# Altium PCB LimeKEY-RPCM_1v1.PcbDoc (part 5 of 8) (continued)
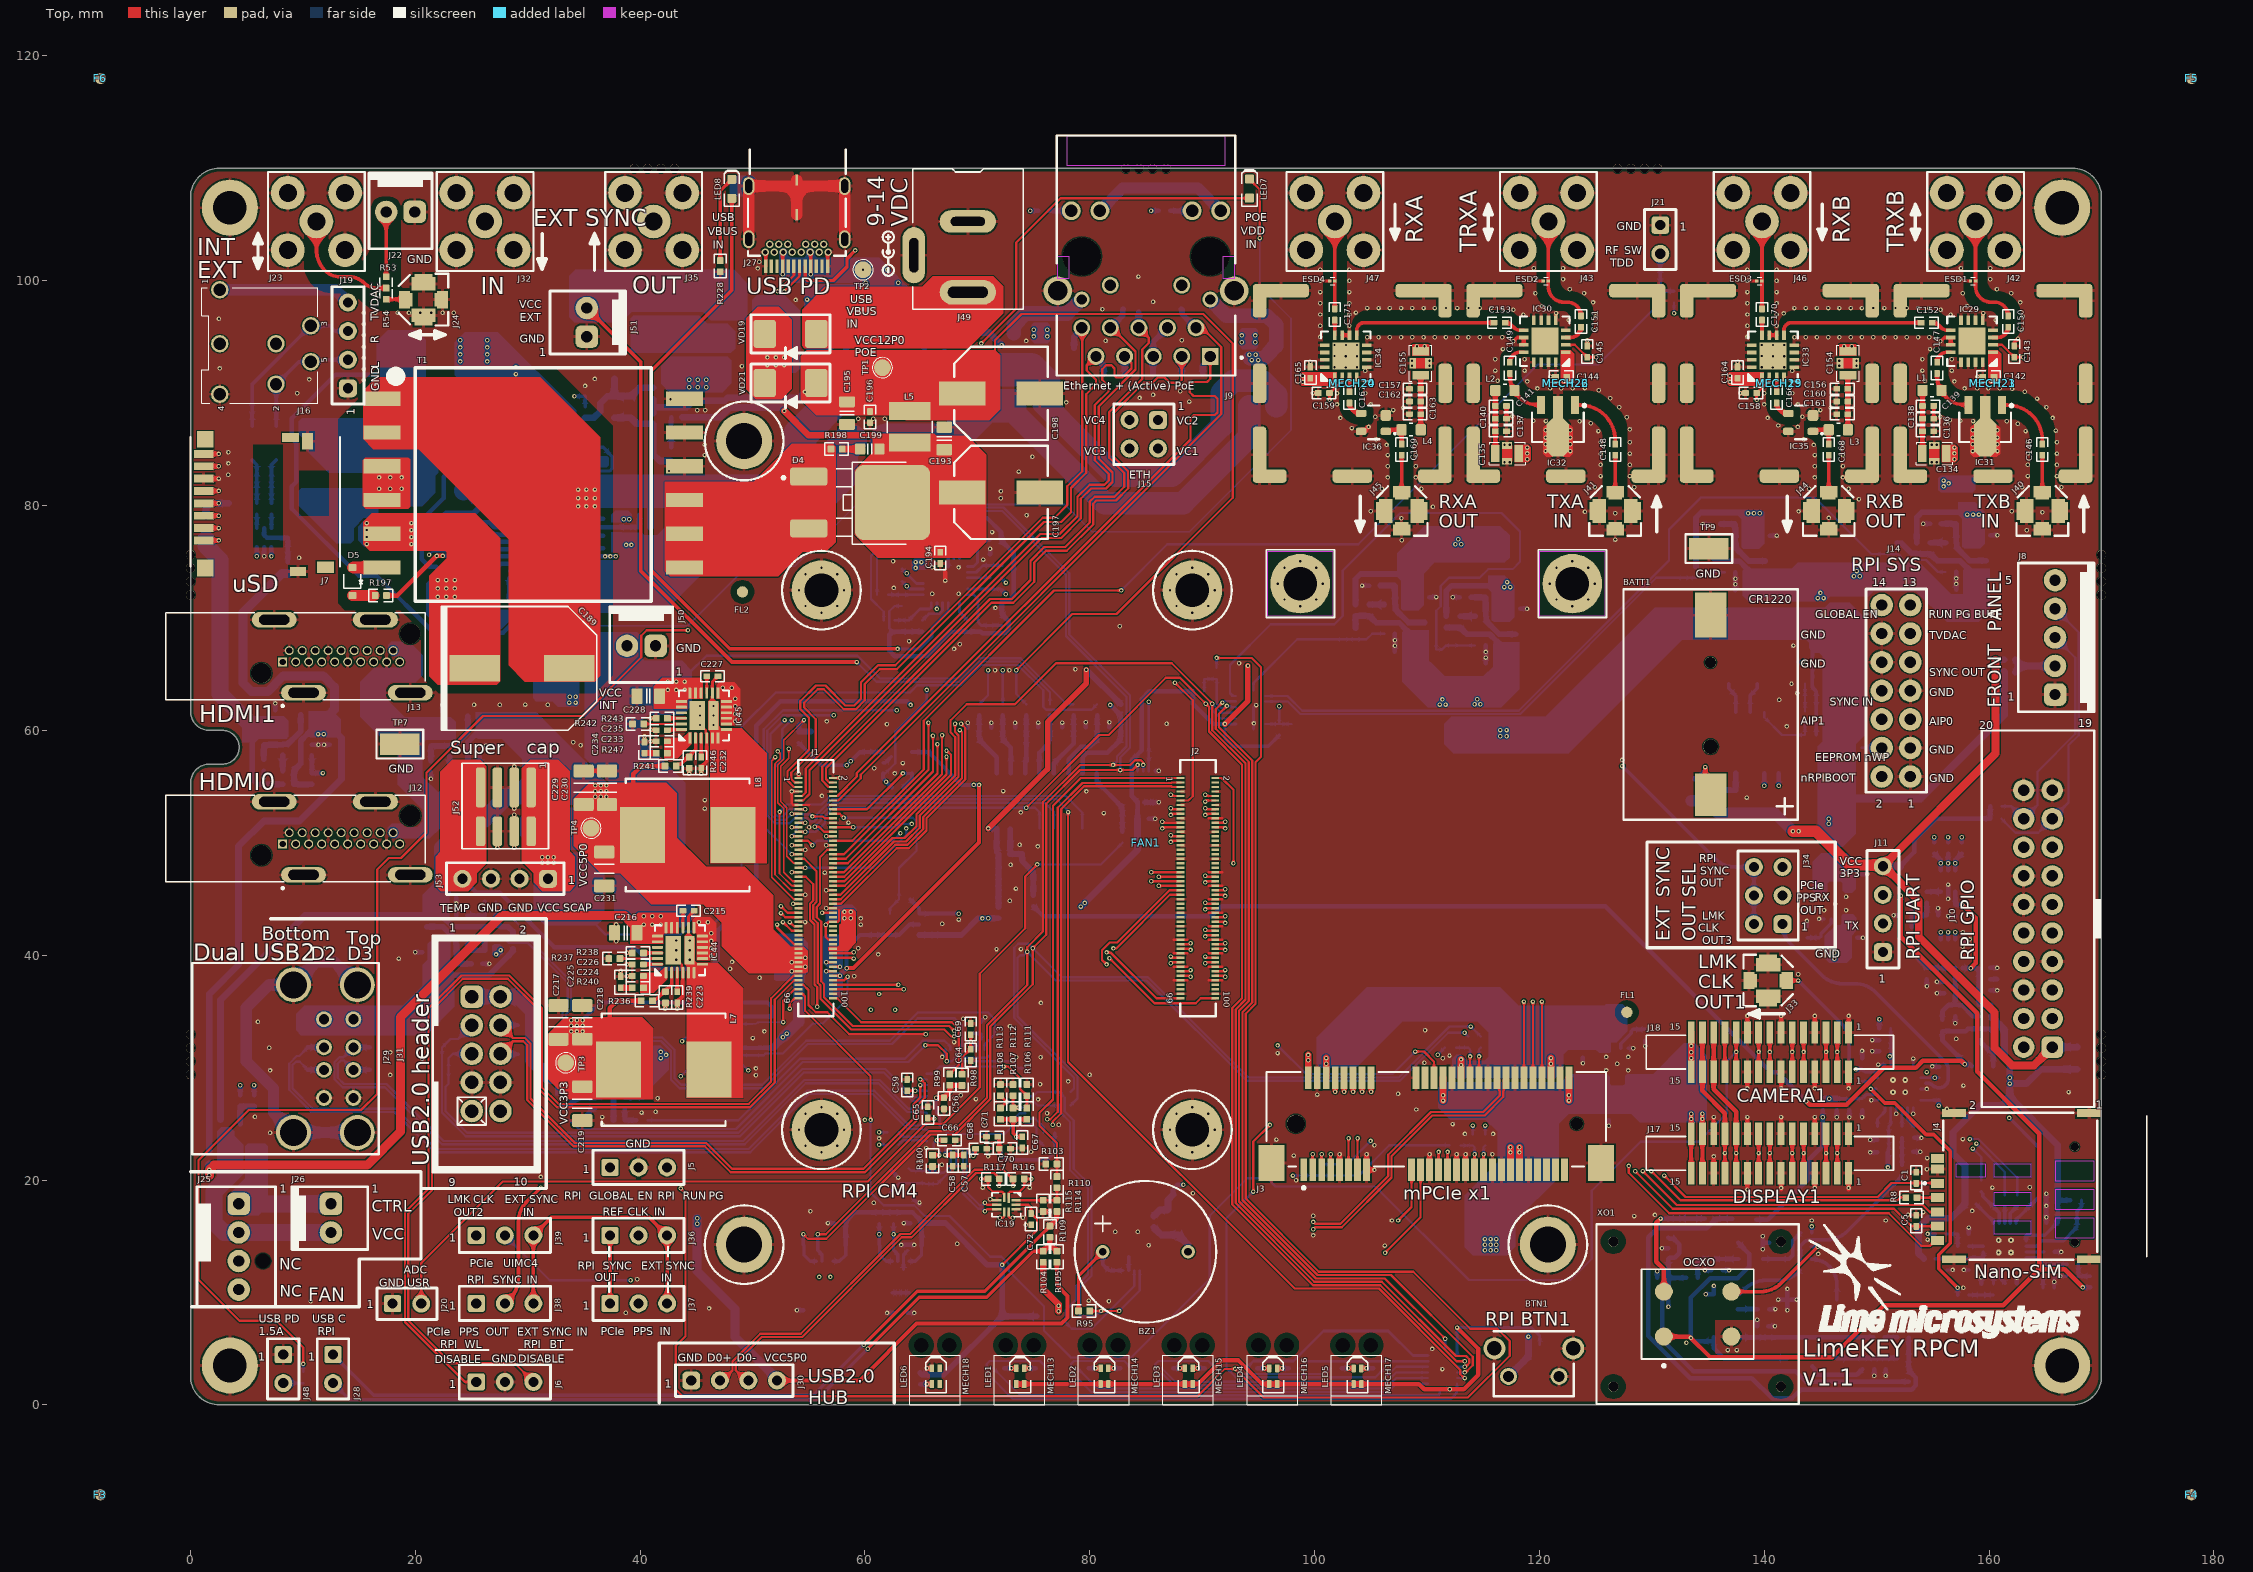
[diagram p0: Top view]
## Nets (pads, with @x,y where several pads share a name; then routed paths per layer and width w, separated by ;. In a path a pad name is that pad's centre, name@x,y a point inside that pad or via, vN(x,y) a via of type N, cw(c..) or ccw(c..) an arc to the next point about the centre after c; other vN are vias at no path point) (continued)
  Top w0.4: C135.3@116.075,84.637 C137.2@116.075,86.613 C140.1@116.075,87.738 C141.2@116.075,88.862 L2.1@116.075,90.25
NetC146_1: C146.1 IC31.1 | length 5.7
  Top w0.325: IC31.1@161.15,88.95 161.608,88.95 cw(c161.608,85.818) 164.74,85.818 C146.1@164.74,85.475
NetC147_1: C147.1 IC29.12 | length 1.7
  Top w0.325: C147.1@155.375,92.75 cw(c156.275,92.75) 156.275,93.65 IC29.12@156.6,93.65
NetC147_2: C147.2 IC31.3 L1.2 | length 4.5
  Top w0.325: C147.2@155.375,91.75 155.375,91.49 ccw(c157.915,91.49) 157.915,88.95 IC31.3@158.15,88.95
NetC148_1: C148.1 IC32.1 | length 5.7
  Top w0.325: IC32.1@123.15,88.95 123.608,88.95 cw(c123.608,85.818) 126.74,85.818 C148.1@126.74,85.475
NetC149_1: C149.1 IC30.12 | length 1.7
  Top w0.325: C149.1@117.375,92.75 cw(c118.275,92.75) 118.275,93.65 IC30.12@118.6,93.65
NetC149_2: C149.2 IC32.3 L2.2 | length 4.5
  Top w0.325: C149.2@117.375,91.75 117.375,91.49 ccw(c119.915,91.49) 119.915,88.95 IC32.3@120.15,88.95
NetC150_2: C150.2 IC29.3 | length 1.9
  Top w0.325: IC29.3@160.35,94.95 160.775,94.95 ccw(c160.775,95.875) C150.2@161.7,95.875
NetC151_2: C151.2 IC30.3 | length 1.9
  Top w0.325: IC30.3@122.35,94.95 122.775,94.95 ccw(c122.775,95.875) C151.2@123.7,95.875
NetC152_1: C152.1 IC33.9 | length 13
  Top w0.325: IC33.9@141.75,95.165 141.75,95.6 cw(c142.425,95.6) 142.425,96.275 C152.1@153.95,96.275
NetC152_2: C152.2 IC29.9 | length 1.9
  Top w0.325: C152.2@154.95,96.275 cw(c154.95,95.43) 155.547,96.028 155.775,95.8 ccw(c156.258,96.283) 156.258,95.6 IC29.9@156.6,95.6
NetC153_1: C153.1 IC34.9 | length 13
  Top w0.325: IC34.9@103.75,95.165 103.75,95.6 cw(c104.425,95.6) 104.425,96.275 C153.1@115.95,96.275
NetC153_2: C153.2 IC30.9 | length 1.9
  Top w0.325: C153.2@116.95,96.275 cw(c116.95,95.43) 117.547,96.028 117.775,95.8 ccw(c118.258,96.283) 118.258,95.6 IC30.9@118.6,95.6
NetC154_3: C154.3 C156.2 C160.1 C161.2 L3.1 | length 4.9
  Top w0.4: L3.1@147.44,86.75 C161.2@147.44,88.138 C160.1@147.44,89.263 C156.2@147.44,90.388 C154.3@147.44,91.613
NetC155_3: C155.3 C157.2 C162.1 C163.2 L4.1 | length 4.9
  Top w0.4: L4.1@109.44,86.75 C163.2@109.44,88.138 C162.1@109.44,89.263 C157.2@109.44,90.388 C155.3@109.44,91.613
NetC166_1: C166.1 IC33.3 | length 1.3
  Top w0.325: C166.1@141.1,90.122 IC33.3@141.1,91.415
NetC166_2: C166.2 IC35.3 | length 1.6
  Top w0.325: C166.2@141.1,89.122 ccw(c142.022,89.122) 142.022,88.2 IC35.3@142.14,88.2
NetC167_1: C167.1 IC34.3 | length 1.3
  Top w0.325: C167.1@103.1,90.122 IC34.3@103.1,91.415
NetC167_2: C167.2 IC36.3 | length 1.6
  Top w0.325: C167.2@103.1,89.122 ccw(c104.022,89.122) 104.022,88.2 IC36.3@104.14,88.2
NetC168_1: C168.1 IC35.1 L3.2 | length 2.7
  Top w0.325: IC35.1@144.34,86.75 L3.2@145.74,86.75 C168.1@145.74,85.475
NetC169_1: C169.1 IC36.1 L4.2 | length 2.7
  Top w0.325: IC36.1@106.34,86.75 L4.2@107.74,86.75 C169.1@107.74,85.475
NetC170_2: C170.2 IC33.12 | length 1.3
  Top w0.325: IC33.12@139.8,95.165 C170.2@139.8,96.5
NetC171_2: C171.2 IC34.12 | length 1.3
  Top w0.325: IC34.12@101.8,95.165 C171.2@101.8,96.5
NetC180_1: C180.1 IC37.5 R180.1 R192.2 | length 6.4
  Bottom w0.5: R192.2@155.773,78.39 R180.1@157.023,78.39 ; R180.1@157.075,78.338 IC37.5@157.075,76.7 157.125,76.65 157.125,76.238 158.263,75.1 C180.1@159.723,75.1
NetC181_1: C181.1 IC38.5 R181.1 R193.2 | length 6.4
  Bottom w0.5: R193.2@136.135,78.363 R181.1@137.385,78.363 ; R181.1@137.437,78.31 IC38.5@137.437,76.672 137.487,76.622 137.487,76.21 138.625,75.072 C181.1@140.085,75.072
NetC182_1: C182.1 IC39.5 R183.1 R194.2 | length 6.4
  Bottom w0.5: R194.2@113.925,71.85 R183.1@115.175,71.85 ; R183.1@115.227,71.798 IC39.5@115.227,70.16 115.277,70.11 115.277,69.698 116.415,68.56 C182.1@117.875,68.56
NetC183_1: C183.1 IC40.5 R182.1 R195.2 | length 6.4
  Bottom w0.5: R195.2@105.848,72.89 R182.1@107.098,72.89 ; R182.1@107.15,72.838 IC40.5@107.15,71.2 107.2,71.15 107.2,70.738 108.338,69.6 C183.1@109.798,69.6
NetC192_1: C192.1 IC41.16 R197.1 | length 13.6
  Top w0.4: R197.1@17.425,72 18.378,72 v1(21.903,75.525) v1(22.433,75.525)
  Bottom w0.4: v1(21.903,75.525) v1(22.433,75.525) 24.491,75.525 24.725,75.759 24.725,75.825 25.1,76.2 C192.1@25.425,76.2 25.75,76.2 26.325,76.775 IC41.16@28.446,76.775
NetC193_2: C193.2 C194.1 C197.1 C199.2 D4.2 L5.1 R201.1 | length 22.7
  Top w0.6: v1(52.825,88.425) 55,86.25 60.75,86.25 61.425,85.575 ; C199.2@61.125,85.475 61.125,85.175 C199.2@61.275,85.025 D4.2@61.275,82.201
  Bottom w0.6: R201.1@43.75,87.85 47.1,87.85 47.975,88.725 52.525,88.725 v1(52.825,88.425)
NetC199_1: C199.1 R198.2 | length 1.6
  Top w0.6: R198.2@57.975,85.025 C199.1@59.575,85.025
NetC201_2: C201.2 R207.2 | length 1.2
  Bottom w0.4: C201.2@23.225,78.5 R207.2@24.45,78.5
NetC202_1: C202.1 D7.C R206.1
NetC204_1: C204.1 D8.1 D8.4 R210.2 R211.1 | length 9.1
  Bottom w0.6: D8.4@35.1,87.825 35.9,87.825 36.45,88.375 36.45,89.075 37.1,89.725 D8.1@37.7,89.725 39.2,89.725 39.95,90.475 R210.2@41.15,90.475 ; D8.1@37.712,89.737 R211.1@37.712,91.262
NetC205_2: C205.2 IC41.20 | length 1.2
  Bottom w0.4: IC41.20@28.446,79.375 C205.2@28.446,80.596
NetC206_1: C206.1 D9.A IC42.2 IC42.4 R216.1 R217.1 R218.2 | length 42.5
  L3 w0.2: v1(72.15,94.275) 72.536,93.889 v1(72.536,73.15)
  Bottom w0.2: R217.1@72.116,73.57 v1(72.536,73.15)
  Bottom w0.4: IC42.4@58.245,93.425 58.259,93.439 58.259,93.934 59,94.675 60.45,94.675 60.747,94.378 ; IC42.2@60.747,93.393 60.747,94.378 ; R218.2@65.325,93.95 64.95,94.325 64.95,95.075 ; D9.A@67.15,97.025 67.15,96.025 66.575,95.45 R216.1@65.325,95.45 64.95,95.075 ; 60.747,94.378 61.443,95.075 C206.1@63.775,95.075 64.95,95.075
  Bottom w0.6: D9.A@67.15,97.025 69.4,97.025 69.4,95.875 69.875,95.4 71.025,95.4 v1(72.15,94.275)
NetC209_2: C209.2 IC43.24 | length 1.8
  Bottom w0.25: IC43.24@68.4,75.291 68.4,76.404 68.716,76.72 68.766,76.72 68.891,76.845 C209.2@68.891,76.895
NetC215_1: C215.1 IC44.15 | length 1.5
  Top w0.25: IC44.15@43.8,42.45 C215.1@43.8,43.95
NetC215_2: C215.2 IC44.5 IC44.6 IC44.7 IC44.14 IC44.26 L7.1 | length 8
  Top w0.2: IC44.5@44.3,38.45 44.3,34.85 46.175,32.975
  Top w0.25: IC44.14@44.3,42.45 44.3,43.45 C215.2@44.8,43.95
  other v2: 44.4,39.6 44.4,40.45 44.4,41.3
NetC223_1: C223.1 IC44.3 | length 2.1
  Top w0.309: C223.1@43.3,36.75 IC44.3@43.3,38.45 IC44.3@43.3,38.85
NetC224_1: C224.1 IC44.1 R240.2 | length 3.7
  Top w0.2: C224.1@40.35,38.175 41.675,38.175 ; 41.157,36.75 41.157,37.657 41.675,38.175 ; IC44.1@42.3,38.45 42.025,38.175 41.675,38.175
NetC225_1: C225.1 R240.1 | length 1
  Top w0.5: C225.1@38.261,37.1 R240.1@39.3,37.1
NetC226_1: C226.1 IC44.24 | length 1.7
  Top w0.309: C226.1@40.25,39.2 IC44.24@41.9,39.2
NetC227_1: C227.1 IC45.15 | length 1.5
  Top w0.25: IC45.15@45.925,63.325 C227.1@45.925,64.825
NetC227_2: C227.2 IC45.5 IC45.6 IC45.7 IC45.14 IC45.26 L8.1 | length 8
  Top w0.2: IC45.5@46.425,59.325 46.425,55.725 48.3,53.85
  Top w0.25: IC45.14@46.425,63.325 46.425,64.325 C227.2@46.925,64.825
  other v2: 46.525,60.475 46.525,61.325 46.525,62.175
NetC232_1: C232.1 IC45.3 | length 2.1
  Top w0.309: C232.1@45.425,57.625 IC45.3@45.425,59.325 IC45.3@45.425,59.725
NetC233_1: C233.1 IC45.1 R247.2 | length 3.7
  Top w0.2: C233.1@42.475,59.05 43.8,59.05 ; 43.282,57.625 43.282,58.532 43.8,59.05 ; IC45.1@44.425,59.325 44.15,59.05 43.8,59.05
NetC234_1: C234.1 R247.1 | length 1
  Top w0.5: C234.1@40.386,57.975 R247.1@41.425,57.975
NetC235_2: C235.2 IC45.24 | length 1.7
  Top w0.309: C235.2@42.375,60.075 IC45.24@44.025,60.075
NetC237_2: C237.2 FR14.2 IC46.5 IC46.8
NetD2_C: D2.C D3.C | length 8.7
  Bottom w1.7: D3.C@24.3,81.325 28.85,85.875 D2.C@31.075,85.875
NetD3_A: D3.A D7.A R206.2 T1.3 T1.4 VT3.5 VT3.6 VT3.7 VT3.8 VT3.PAD
  other v1: 16.775,81.5 17.775,81.5 18.775,81.5 16.775,82.5 17.775,82.5 18.775,82.5
NetD4_1: D4.1 D4.3 R198.1 T1.7 T1.8 T1.9
NetD5_C: D5.C R197.2 | length 1.9
  Top w1: D5.C@14.4,72 R197.2@16.3,72
NetD6_A: D6.A R203.1 VT4.1 | length 17.9
  Bottom w0.4: R203.1@21.875,74.525 21.875,74.575 21.225,74.575 20.575,75.225 20.575,78.725 22.525,80.675 22.525,82.575 23.125,83.175 23.65,83.175 VT4.1@25.075,84.6 25.275,84.8 D6.A@25.275,89.225
NetD6_C: D6.C VT3.4 VT4.2 | length 6.1
  Bottom w0.4: VT3.4@21.505,89.22 21.51,89.225 D6.C@22.775,89.225 22.775,89.175 22.875,89.075 22.925,89.075 23.175,88.825 VT4.2@23.175,84.6
NetD9_C: D9.C IC42.1 IC42.3 R218.1 | length 9.2
  Bottom w0.4: IC42.3@59.515,93.425 59.515,92.935 60.25,92.2 61.352,92.2 62.102,92.95 R218.1@65.325,92.95 66.375,92.95 66.74,93.315 66.74,93.47 66.995,93.725 D9.C@67.15,93.725
NetF1_2: F1.2 VD19.K VD20.K VD21.K
  other v1: 51.325,92.5 52.075,92.5 52.825,92.5 51.325,93.175 52.075,93.175 52.825,93.175
NetF2_2: F2.2 R244.1 R245.1 VD23.K
NetFR4_2: FR4.2 R133.1 R139.2 R140.1 R144.1 | length 48.1
  Bottom w0.4: FR4.2@137.15,16.575 R133.1@135.725,16.575 134.875,15.725 130.5,15.725 129.675,14.9 129.675,6.125 133.425,2.375 138.9,2.375 140.7,0.575 142.475,0.575 143.25,1.35 153.114,1.35 153.5,1.736 153.5,2.405 R144.1@152.84,3.065 R139.2@152.84,4.165 R140.1@152.84,5.985
NetFR13_1: FR13.1 L6.1 R235.1
NetIC5_4: IC5.4 R24.2 | length 1.3
  Bottom w0.5: R24.2@8.2,56.438 IC5.4@8.2,57.775
NetIC6_4: IC6.4 R34.1 | length 1.2
  Bottom w0.325: IC6.4@5.9,77.975 R34.1@5.9,79.225
NetIC6_6: IC6.6 R29.1 | length 1.3
  Bottom w0.325: IC6.6@7.2,77.975 R29.1@7.2,79.225
NetIC7_3: IC7.3 R36.1 | length 1.3
  Bottom w0.5: R36.1@25.675,56.338 IC7.3@25.675,57.675
NetIC7_4: IC7.4 R38.2 | length 1.3
  Bottom w0.5: R38.2@23.075,56.338 IC7.4@23.075,57.675
NetIC16_1: IC16.1 XT1.1 | length 2.8
  Bottom w0.3: XT1.1@136.83,64.134 136.83,63.735 137.47,63.094 IC16.1@137.47,61.612
NetIC16_2: IC16.2 XT1.2 | length 2.8
  Bottom w0.3: IC16.2@138.74,61.612 138.74,63.094 139.38,63.735 XT1.2@139.38,64.134
NetIC18_44: IC18.44 R96.2 | length 2.5
  Bottom w0.2: IC18.44@74.25,25.45 75.15,25.45 75.875,24.725 R96.2@75.875,24.175
NetIC18_45: IC18.45 R101.1 | length 2.9
  Bottom w0.2: IC18.45@74.25,24.95 74.9,24.95 75.25,24.6 75.25,23.7 R101.1@75.875,23.075
NetIC18_63: IC18.63 R100.1 | length 1.2
  Top w0.3: R100.1@66.012,22.212 66.613,22.212 v1(66.625,22.225)
  Bottom w0.2: v1(66.625,22.225) IC18.63@66.625,22.825
NetIC19_10: IC19.10 R110.1 R114.2 R115.1 | length 4.7
  Top w0.2: IC19.10@73.425,18.2 R114.2@77,18.2 ; R114.2@77.075,18.2 R110.1@77.075,19.306
NetIC22_3: IC22.3 R121.1 R122.1 | length 2.8
  Bottom w0.4: IC22.3@24.608,43.53 R121.1@26.158,43.53 R122.1@26.158,44.755
NetIC22_4: IC22.4 R125.1 | length 3
  Bottom w0.5: IC22.4@24.608,40.93 25.083,40.455 26.158,40.455 R125.1@26.158,41.68
NetIC23_3: IC23.3 R127.1 R128.1 | length 2.1
  Bottom w0.4: IC23.3@38.625,26.387 R127.1@38.625,25.329 R128.1@39.666,25.329
NetIC23_4: IC23.4 R131.1 | length 1.7
  Bottom w0.4: R131.1@34.7,25.375 34.8,25.475 34.913,25.475 35.825,26.387 IC23.4@36.025,26.387
NetIC24_24: IC24.24 R134.1 | length 2
  Bottom w0.25: R134.1@150.075,24.75 150.075,25.425 150.75,26.1 IC24.24@150.75,26.425
NetIC27_11: IC27.11 R154.1 | length 2.3
  Bottom w0.3: R154.1@158.864,17.84 160.4,16.304 IC27.11@160.4,16.15
NetIC27_13: IC27.13 R164.2 | length 1.5
  Bottom w0.3: IC27.13@161.4,16.15 R164.2@161.4,17.65
NetIC27_14: IC27.14 R165.2 | length 1.7
  Bottom w0.3: IC27.14@161.9,16.15 161.9,17.05 R165.2@162.5,17.65
NetIC27_19: IC27.19 R160.1 | length 1.6
  Bottom w0.3: IC27.19@163.3,13.6 R160.1@164.849,13.6 R160.1@164.864,13.615
NetIC28_6: IC28.6 R163.2 | length 1.2
  Bottom w0.4: R163.2@154.465,45.649 IC28.6@155.699,45.649
NetIC37_4: IC37.4 R188.2 | length 1.3
  Bottom w0.5: R188.2@154.788,76.7 IC37.4@156.125,76.7
NetIC38_4: IC38.4 R189.2 | length 1.3
  Bottom w0.5: R189.2@135.15,76.672 IC38.4@136.487,76.672
NetIC39_4: IC39.4 R190.2 | length 1.3
  Bottom w0.5: R190.2@112.94,70.16 IC39.4@114.277,70.16
NetIC40_4: IC40.4 R191.2 | length 1.3
  Bottom w0.5: R191.2@104.863,71.2 IC40.4@106.2,71.2
NetIC41_2: IC41.2 R196.2 | length 2.3
  Bottom w0.4: IC41.2@34.454,78.725 35.675,78.725 35.8,78.85 R196.2@36.725,78.85
NetIC41_3: IC41.3 R204.1 R205.1 R208.1 | length 6.6
  Bottom w0.4: IC41.3@34.454,78.075 R208.1@38.825,78.075 R204.1@39.925,78.075 R205.1@39.925,79.175
NetIC41_4: IC41.4 R199.2 | length 2.3
  Bottom w0.4: IC41.4@34.454,77.425 35.8,77.425 35.925,77.3 R199.2@36.725,77.3
NetIC41_5: IC41.5 R202.1 | length 2.5
  Bottom w0.4: IC41.5@34.454,76.775 35.35,76.775 35.925,76.2 R202.1@36.725,76.2
NetIC41_11: IC41.11 R213.2 | length 2.1
  Bottom w0.4: R213.2@28.346,71.454 IC41.11@28.346,73.525
NetIC41_12: IC41.12 R212.2 | length 3.6
  Bottom w0.4: IC41.12@28.446,74.175 29.201,74.175 29.575,73.801 R212.2@29.575,71.45
NetIC41_15: IC41.15 R203.2 | length 5.5
  Bottom w0.4: R203.2@23.575,74.525 24.025,74.975 26.1,74.975 27.25,76.125 IC41.15@28.446,76.125
NetIC43_9: IC43.9 LED8.A | length 68
  Top w0.3: LED8.A@48.15,107.325 48.15,99.15 40.975,91.975 40.975,74.225 47.95,67.25 v1(62.9,67.25)
  Bottom w0.25: v1(62.9,67.25) 64.9,67.25 65.95,68.3 65.95,69.154 67.4,70.604 IC43.9@67.4,71.359
NetIC43_10: IC43.10 R234.2 | length 2.8
  Bottom w0.25: R234.2@65.116,69.795 65.691,70.37 66.591,70.37 66.9,70.679 IC43.10@66.9,71.359
NetIC44_2: IC44.2 R236.2 R239.2 | length 4.7
  Top w0.309: R236.2@41.084,35.959 41.218,36.093 41.443,36.093 42.052,36.702 42.089,36.739 R239.2@42.125,36.775 ; R239.2@42.004,36.604 R239.2@42.077,36.677 ; R239.2@42.152,36.752 42.8,37.4 42.8,37.625 ; IC44.2@42.8,38.85 IC44.2@42.8,38.45 ; 42.8,37.625 IC44.2@42.8,38.45 ; 42.8,37.625 IC44.2@42.8,38.45
NetIC44_22: IC44.22 R238.1 | length 1.6
  Top w0.309: R238.1@40.3,40.2 IC44.22@41.55,40.2 IC44.22@41.9,40.2
NetIC44_23: IC44.23 R237.1 | length 3.4
  Top w0.2: R237.1@38.2,39.7 IC44.23@41.55,39.7
NetIC45_2: IC45.2 R241.1 R246.2 | length 4.7
  Top w0.309: R241.1@43.209,56.834 43.343,56.968 43.568,56.968 44.177,57.577 44.214,57.614 R246.2@44.25,57.65 ; R246.2@44.13,57.479 R246.2@44.202,57.552 ; R246.2@44.277,57.627 44.925,58.275 44.925,58.5 ; IC45.2@44.925,59.725 IC45.2@44.925,59.325 ; 44.925,58.5 IC45.2@44.925,59.325 ; 44.925,58.5 IC45.2@44.925,59.325
NetIC45_22: IC45.22 R243.1 | length 1.6
  Top w0.309: R243.1@42.425,61.075 IC45.22@43.675,61.075 IC45.22@44.025,61.075
NetIC45_23: IC45.23 R242.1 | length 3.4
  Top w0.2: R242.1@40.325,60.575 IC45.23@43.675,60.575
NetIC46_3: IC46.3 R250.1 R252.1 | length 3.2
  Bottom w0.3: R252.1@143.8,41.55 R250.1@144.9,41.55 145.05,41.7 145.05,41.9 145.975,42.825 IC46.3@145.975,43.225
NetIC47_2: IC47.2 R249.2 R251.1 | length 2.9
  Bottom w0.4: R249.2@159.1,32.45 160.375,31.175 IC47.2@160.375,30.125
NetIC48_3: IC48.3 R253.1 R254.1 | length 3.2
  Bottom w0.3: IC48.3@127.25,31.725 127.25,32.125 128.175,33.05 128.175,33.25 R253.1@128.325,33.4 R254.1@129.425,33.4
NetJ9_16: J9.16 R26.1 | length 2
  Bottom w0.4: R26.1@87.15,106.225 J9.16@89.1,106.225
NetJ9_18: J9.18 R27.1 | length 2
  Bottom w0.4: R27.1@76.4,106.225 J9.18@78.36,106.225
NetJ28_1: J28.1 R109.1 R114.1 | length 73
  Top w0.3: v1(59.896,5.354) 64.643,10.1 70.65,10.1 R109.1@76.45,15.9
  Top w0.4: R109.1@76.45,15.9 77.068,16.518 ; 77.068,16.593 77.068,17.193 R114.1@77.075,17.2
  Bottom w0.3: J28.1@12.675,4.47 16.307,0.838 55.381,0.838 v1(59.896,5.354)
NetJ28_2: J28.2 R104.1 R105.1 R109.2 | length 78.1
  Top w0.3: R104.1@75.85,13.675 74.95,13.675 70.85,9.575 64.825,9.575 ; 64.825,9.575 v1(60.25,5) 64.825,9.575
  Top w0.4: R104.1@75.85,13.675 76.45,14.275 ; R109.2@76.45,14.9 76.45,14.275 ; R105.1@77.075,13.675 76.475,14.275 76.45,14.275
  Bottom w0.3: J28.2@12.675,1.93 14.167,0.438 55.688,0.438 v1(60.25,5)
NetJ33_1: J33.1 R135.1 | length 11.7
  Top w0.325: J33.1@142.05,37.75 v1(143.025,37.75)
  Bottom w0.325: v1(143.025,37.75) 146.824,33.951 cw(c145.01,32.137) 147.575,32.137 R135.1@147.575,28.75
NetJ48_2: J48.2 R224.1 | length 1.8
  Bottom w0.2: J48.2@8.25,1.93 R224.1@10.02,1.93
NetLED1_3: LED1.3 R71.2 | length 1.1
  Top w0.4: v1(73.01,3.253) LED1.3@73.46,3.253
  Bottom w0.4: R71.2@72.41,3.253 v1(73.01,3.253)
NetLED1_4: LED1.4 R74.2 | length 1.1
  Top w0.4: LED1.4@74.16,3.253 v1(74.61,3.253)
  Bottom w0.4: v1(74.61,3.253) R74.2@75.21,3.253
NetLED2_3: LED2.3 R77.2 | length 1.1
  Top w0.4: v1(80.51,3.253) LED2.3@80.96,3.253
  Bottom w0.4: R77.2@79.91,3.253 v1(80.51,3.253)
NetLED2_4: LED2.4 R78.2 | length 1.1
  Top w0.4: LED2.4@81.66,3.253 v1(82.11,3.253)
  Bottom w0.4: v1(82.11,3.253) R78.2@82.71,3.253
NetLED3_3: LED3.3 R79.2 | length 1.1
  Top w0.4: v1(88.01,3.253) LED3.3@88.46,3.253
  Bottom w0.4: R79.2@87.41,3.253 v1(88.01,3.253)
NetLED3_4: LED3.4 R80.2 | length 1.1
  Top w0.4: LED3.4@89.16,3.253 v1(89.61,3.253)
  Bottom w0.4: v1(89.61,3.253) R80.2@90.21,3.253
NetLED4_3: LED4.3 R83.2 | length 1.1
  Top w0.4: v1(95.51,3.25) LED4.3@95.96,3.25
  Bottom w0.4: R83.2@94.91,3.25 v1(95.51,3.25)
NetLED4_4: LED4.4 R84.2 | length 1.1
  Top w0.4: LED4.4@96.66,3.25 v1(97.11,3.25)
  Bottom w0.4: v1(97.11,3.25) R84.2@97.71,3.25
NetLED5_3: LED5.3 R86.2 | length 1.1
  Top w0.4: v1(103.01,3.25) LED5.3@103.46,3.25
  Bottom w0.4: R86.2@102.41,3.25 v1(103.01,3.25)
NetLED5_4: LED5.4 R87.2 | length 1.1
  Top w0.4: LED5.4@104.16,3.25 v1(104.61,3.25)
  Bottom w0.4: v1(104.61,3.25) R87.2@105.21,3.25
NetLED6_1: LED6.1 R92.1 | length 1.1
  Top w0.4: v1(65.51,1.853) LED6.1@65.96,1.853
  Bottom w0.4: R92.1@64.91,1.853 v1(65.51,1.853)
NetLED7_K: LED7.K R215.1 | length 105.9
  Top w0.2: LED7.K@94.2,109.05 95.125,108.125 v1(95.125,103.8)
  Bottom w0.15: R215.1@26,70.45 26.5,70.95 30.125,70.95 31.775,69.3 44.225,69.3 49.525,74.6 53.75,74.6 59.25,80.1 77.775,80.1 80.2,77.675 88.875,77.675 97.9,86.7 97.9,96.65 95.125,99.425 v1(95.125,103.8)
NetLED8_K: LED8.K R228.1 | length 7.6
  Top w0.3: R228.1@47.125,101.8 47.125,108 LED8.K@48.15,109.025
NetR73_2: R73.2 R76.2 VT1.G | length 2.8
  Bottom w0.5: VT1.G@4.425,25 R76.2@4.425,26.55 R73.2@5.65,26.55
NetR132_2: R132.2 XO1.3 | length 9.8
  Top w0.325: XO1.3@137.075,10.075 139.698,10.075 ccw(c139.698,12.615) 141.494,10.819 v1(144.75,14.075)
  Bottom w0.325: R132.2@144.2,14.075 v1(144.75,14.075)
NetR137_1: R137.1 XO2.6 | length 5.1
  Bottom w0.4: XO2.6@144.264,3.415 144.514,3.165 144.514,2.886 144.725,2.675 148.25,2.675 R137.1@148.74,3.165
NetR138_2: R138.2 XO2.4 XO3.3 | length 4.9
  Bottom w0.325: R138.2@144.2,12.975 cw(c144.2,10.711) 146.464,10.711 XO2.4@146.464,9.365
NetR140_2: R140.2 R143.1 | length 1.1
  Bottom w0.4: R143.1@150.7,6 R140.2@151.825,6
NetR142_1: R142.1 XO4.6 | length 6
  Bottom w0.325: XO4.6@137.825,9.85 138.306,10.331 cw(c140.102,8.535) 140.102,11.075 141.248,11.075 ccw(c141.248,13.615) 143.044,11.819 R142.1@143.2,11.975
NetR145_2: R145.2 R147.1 XO5.3 | length 5.1
  Bottom w0.325: XO5.3@139.875,12.975 R145.2@142.2,12.975 142.55,13.325 142.55,14.625 R147.1@143.225,15.3
NetR212_1: R212.1 R214.2 VT3.1 VT3.2 VT3.3 | length 44.2
  Bottom w0.4: 17.425,91.65 12.9,91.65 9.025,87.775 9.025,85.975 9.4,85.6 9.4,82.1 9.025,81.725 9.025,79.7 14.95,73.775 16.55,73.775 21.65,68.675 27.8,68.675 R212.1@29.575,70.45
PCIE_COEX1: J3.3 R141.2 | length 2.4
  Top w0.2: J3.3@99.825,20.9 v1(99.825,22.3)
  Bottom w0.2: R141.2@99.7,21.4 99.825,21.525 v1(99.825,22.3)
PCIE_COEX2: J3.5 R1.1 R2.1 | length 3.5
  Top w0.2: J3.5@100.625,20.9 v1(100.625,22.3)
  Bottom w0.2: v1(100.625,22.3) 100.625,21.525 R1.1@100.75,21.4 ; R1.1@100.8,21.4 R2.1@101.9,21.4
PCIE_LED_WLAN: J1.41 J3.44 | length 85.4
  Top w0.2: J1.41@54.085,47.775 v1(54.695,47.775) ; J3.44@119.425,29.1 v1(119.425,35.875)
  L3 w0.1: v1(63.675,51.275) 64.25,51.275 70.45,57.475 97.3,57.475 118.525,36.25 119.05,36.25 v1(119.425,35.875)
  Bottom w0.2: v1(54.695,47.775) 60.725,47.775 63.675,50.725 v1(63.675,51.275)
PCIE_LED_WPAN: J1.24 J3.46 | length 81.5
  Top w0.2: J1.24@57.165,51.375 v1(58.95,51.375) ; J3.46@120.225,29.1 v1(120.225,35.875)
  L3 w0.1: v1(64.15,51.675) 70.15,57.675 97.383,57.675 118.608,36.45 119.65,36.45 v1(120.225,35.875)
  Bottom w0.2: v1(58.95,51.375) 62.85,51.375 63.15,51.675 v1(64.15,51.675)
PCIE_LED_WWAN: J1.29 J3.42 | length 83.5
  Top w0.2: J1.29@54.085,50.175 54.925,50.175 v1(55.325,49.775) ; J3.42@118.625,29.1 v1(118.625,35.875)
  L3 w0.1: v1(63.15,50.85) 64.25,50.85 70.675,57.275 97.217,57.275 118.617,35.875 v1(118.625,35.875)
  Bottom w0.2: v1(55.325,49.775) 55.725,50.175 62.475,50.175 v1(63.15,50.85)
PCIE_PET0_N: J3.31 R3.1 R4.1 | length 3.3
  Top w0.2: J3.31@114.225,20.9 v1(114.225,22.3)
  Bottom w0.2: R3.1@112.975,23.075 R4.1@114.075,23.075 114.225,22.925 v1(114.225,22.3)
PCIE_PET0_P: J3.33 R5.1 | length 2.2
  Top w0.2: J3.33@115.025,20.9 v1(115.025,22.3)
  Bottom w0.2: v1(115.025,22.3) 115.025,22.925 R5.1@115.175,23.075
PCIE_PPS_IN: J37.2 R1.2 R3.2 R141.1 | length 78.8
  L4 w0.1: J37.2@39.859,9.025 40.39,8.494 ccw(c42.186,10.29) 42.186,7.75 84.373,7.75 ccw(c84.373,10.29) 86.169,8.494 v1(98.075,20.4)
  Bottom w0.2: v1(98.075,20.4) R141.1@99.7,20.4 R1.2@100.8,20.4 103.95,20.4 106.65,23.1 R3.2@111.975,23.1
PCIE_PPS_OUT: J34.3 J38.1 R2.2 R6.2 | length 136.7
  L4 w0.1: J38.1@25.419,9.025 26.4,8.044 ccw(c28.196,9.84) 27.023,7.587 ccw(c28.196,9.84) 28.196,7.3 87.748,7.3 ccw(c87.748,9.84) 89.544,8.044 109.531,28.031 ccw(c107.735,29.827) 110.275,29.827 110.275,30 cw(c111.422,30) 110.611,30.811 v1(110.95,31.15) ; v1(110.95,31.15) cw(c112.519,29.581) 112.519,31.8 124.148,31.8 ccw(c124.148,34.34) 125.944,32.544 136.631,43.231 cw(c138.427,41.435) 138.427,43.975 139.241,43.975 ccw(c139.241,46.515) 141.037,44.719 J34.3@141.621,45.304
  Bottom w0.2: R2.2@102.9,21.4 v1(104.975,23.475) ; v1@110.925,31.125 R6.2@111.575,31.775
PCIE_SMB_CLK: J3.30 R6.1 R9.1 | length 3.8
  Top w0.2: J3.30@113.825,29.1 v1(113.825,31)
  Bottom w0.2: R6.1@112.575,31.775 R9.1@113.675,31.775 113.825,31.625 v1(113.825,31)
PCIE_SMB_DATA: J3.32 R10.1 | length 2.7
  Top w0.2: J3.32@114.625,29.1 v1(114.625,31)
  Bottom w0.2: v1(114.625,31) 114.625,31.625 R10.1@114.775,31.775
PCIE_UIM8: J3.17 R40.2 | length 180.8
  Top w0.2: v1(107.425,16.4) 108.625,17.6 J3.17@108.625,20.9
  L3 w0.1: v1(107.425,16.4) 116.233,16.4 117.85,14.783 117.85,12.658 119.358,11.15 125.725,11.15 127.325,12.75 153.375,12.75 155.75,15.125 155.75,17.2 169,30.45 169,77.725 169.4,78.125 169.4,90.425 165.475,94.35 158.6,94.35 155.925,97.025 142.625,97.025 142.2,97.45 132.315,97.45 v1(131.975,97.11)
  Bottom w0.2: v1(131.975,97.11) R40.2@131.975,98.075
PCIE_UIMC4: J3.19 J39.2 | length 91.1
  Top w0.2: v1(106.262,13.537) 109.425,16.7 J3.19@109.425,20.9
  L3 w0.1: v1(39.15,11.075) 39.45,10.775 53.992,10.775 56.742,13.525 74.075,13.525 75.475,14.925 90.175,14.925 91.563,13.537 v1(106.262,13.537)
  Bottom w0.2: J39.2@27.959,15.075 31.959,11.075 v1(39.15,11.075)
PCIE_USB_N: J3.36 R94.1 | length 69.4
  Top w0.2: v1(99.875,16.275) 100.05,16.1 102.3,16.1 106.55,20.35 106.55,22.249 110.351,26.05 115,26.05 116.475,27.525 116.475,27.926 116.425,27.976 116.425,28.9 J3.36@116.225,29.1
  L3 w0.1: v1(61.25,24.25) 61.7,23.8 63.292,23.8 63.992,24.5 73.4,24.5 75.5,26.6 76.75,26.6 86.625,16.725 96.983,16.725 97.658,16.05 99.65,16.05 v1(99.875,16.275)
  Bottom w0.2: v1(61.25,24.25) R94.1@61.975,24.25
PCIE_USB_P: J3.38 R97.1 | length 69.9
  Top w0.2: v1(99.875,15.625) 100.05,15.8 102.424,15.8 106.85,20.226 106.85,22.125 110.475,25.75 115.124,25.75 116.775,27.401 116.775,27.926 116.825,27.976 116.825,28.9 J3.38@117.025,29.1
  L3 w0.1: v1(61.25,23.15) 61.7,23.6 63.375,23.6 64.075,24.3 73.483,24.3 75.583,26.4 76.667,26.4 86.542,16.525 96.9,16.525 97.575,15.85 99.65,15.85 v1(99.875,15.625)
  Bottom w0.2: v1(61.25,23.15) R97.1@61.975,23.15
POE_COMP: AT1.4 IC41.18 R200.1 R207.1 | length 19.1
  Bottom w0.3: IC41.18@28.446,78.075 29.15,78.075 29.525,78.45 29.525,82.3 30.3,83.075 37.275,83.075 37.525,83.325 37.525,84.36 36.7,85.185 AT1.4@36.45,85.185
  Bottom w0.4: R207.1@25.45,78.5 26.6,78.5 R200.1@26.675,78.425 27.025,78.075 IC41.18@28.446,78.075
POE_IN+: C188.2 C189.1 C190.2 D2.A FR11.2 IC41.1 R204.2 R205.2 T1.1 T1.2 | length 31.7
  Bottom w0.6: R204.2@40.925,78.075 R205.2@40.925,79.175 40.925,80.7
  Bottom w3: 34.7,81.275 37.3,81.275 38.55,81.275 40.925,81.275 43.325,81.275 46.55,81.275 51.575,81.275 54.2,83.9 54.2,86.3 57.7,89.8 FR11.2@58.8,89.8
  other v1: 34.475,79.925 35.225,79.925 35.975,79.925 34.475,80.675 35.225,80.675 35.975,80.675 34.475,81.425 35.225,81.425 35.975,81.425
POE_NCLASS: IC41.13 R215.2 | length 4.9
  Bottom w0.4: R215.2@26,71.45 26.675,72.125 26.675,73.875 27.625,74.825 IC41.13@28.446,74.825
POE_VDDH: D5.A T1.6 | length 3.4
  Top w1: D5.A@14.4,74.5 T1.6@17.79,74.5
POE_VDDL: C200.2 IC41.17 LED7.A R200.2 | length 121.3
  Top w0.2: v1(70.35,94.425) 73.45,97.525 73.45,103.4 77.4,107.35 LED7.A@94.2,107.35
  L3 w0.1: v1(21.225,75.625) 22.125,74.725 30.675,74.725 34.475,70.925 52.475,70.925 53.9,69.5 66.2,69.5 67.013,70.313 67.013,71.062 66.55,71.525 63.825,71.525 62.975,72.375 62.975,82.45 70.35,89.825 v1(70.35,94.425)
  Bottom w0.15: v1(21.225,75.625) 21.5,75.9 23.925,75.9 24.175,76.15 24.175,77.4 ; C200.2@23.625,77.4 23.625,77.35 C200.2@23.8,77.175
  Bottom w0.4: C200.2@23.625,77.4 23.65,77.425 IC41.17@28.446,77.425
REF_ADF: C114.2 IC24.3 | length 23.8
  Top w0.325: v1(149.475,28.1) 150.725,26.85 151.6,26.85 154.4,24.05 155.075,24.05 156.55,22.575 156.55,14.386 155.525,13.361 155.525,12.1 v1(157.2,10.425)
  Bottom w0.25: v1(149.475,28.1) IC24.3@150,28.1
  Bottom w0.325: C114.2@157.2,9.775 v1(157.2,10.425)
REF_CLK_IN: C125.2 J36.2 R147.2 | length 120.5
  L3 w0.1: J36.2@39.859,15.075 42.89,12.044 ccw(c44.686,13.84) 44.686,11.3 51.673,11.3 ccw(c51.673,13.84) 53.469,12.044 54.556,13.131 cw(c56.352,11.335) 56.352,13.875 71.773,13.875 ccw(c71.773,16.415) 73.569,14.619 74.156,15.206 cw(c75.952,13.41) 75.952,15.95 95.578,15.95 cw(c95.578,14.328) 96.725,15.475 96.799,15.401 ccw(c98.613,17.215) 98.613,14.65 102.112,14.65 ccw(c102.112,17.215) 103.926,15.401 104.774,16.249 cw(c106.588,14.435) 106.588,17 123.923,17 126.718,17 cw(c126.718,15.293) 127.925,16.5 ccw(c129.434,18.009) 129.434,15.875 v1(144.225,15.875) cw(c144.225,15.151) 144.737,15.663 ccw(c145.855,16.78) 145.855,15.2 v1(154.525,15.2)
  Bottom w0.325: R147.2@144.225,15.3 v1(144.225,15.875) ; v1(154.525,15.2) C125.2@155.2,15.2
RF_SW_TDD: C143.2 C145.2 C158.1 C159.1 IC29.2 IC30.2 IC33.2 IC34.2 J21.2 R40.1 R41.1 R43.1 | length 95.4
  Top w0.2: v1(101.325,89.4) 101.325,89.99 102.385,91.05 102.385,91.35 IC34.2@102.45,91.415 ; IC30.2@122.35,94.3 123.15,94.3 C145.2@124.25,93.2 v1(125.05,93.2) ; v1(139.325,89.4) 139.325,89.99 140.385,91.05 140.385,91.35 IC33.2@140.45,91.415 ; IC29.2@160.35,94.3 161.15,94.3 C143.2@162.25,93.2 v1(163.05,93.2)
  L3 w0.1: v1(101.325,89.4) 101.325,89.975 102.225,90.875 102.225,92.45 102.55,92.775 105.725,92.775 107.55,94.6 116.975,94.6 117.425,94.15 124.1,94.15 v1(125.05,93.2) 130.75,93.2 ; J21.2@130.75,102.405 130.75,93.2 ; v1(139.325,89.4) 139.325,90.225 ; v1(163.05,93.2) 162.175,94.075 155.475,94.075 154.975,94.575 145.782,94.575 144.007,92.8 141.55,92.8 141.275,92.525 141.275,92.175 139.325,90.225 ; 130.75,93.2 131.425,92.525 137.025,92.525 139.325,90.225
  Bottom w0.3: J21.2@130.75,102.405 R43.1@130.75,100.45 R41.1@130.75,99.075 R40.1@131.975,99.075
RPI_AIP0: J1.96 J14.5 | length 165.8
  Top w0.2: J1.96@57.165,36.975 v1(63.45,36.975)
  L3 w0.1: v1(63.45,36.975) 63.45,35.975 69.925,29.5 76.524,29.5 78.599,27.425 79.599,27.425 88.949,18.075 126.734,18.075 139.726,18.075 140.576,18.925 155.875,18.925 167.975,31.025 167.975,53.15 167.975,54.55 161.543,60.982 J14.5@152.996,60.982
RPI_AIP1: J1.94 J14.6 | length 170.2
  Top w0.2: J1.94@57.165,37.375 v1(62.975,37.375)
  L3 w0.1: v1(62.975,37.375) 62.975,36.167 69.842,29.3 76.441,29.3 78.516,27.225 79.516,27.225 88.866,17.875 139.809,17.875 140.659,18.725 155.958,18.725 168.175,30.942 168.175,53.45 168.175,54.633 161.608,61.2 154.417,61.2 153.467,62.15 151.621,62.15 J14.6@150.454,60.982